# Altium PCB top_LM_v3.PcbDoc (part 3 of 6) (continued)
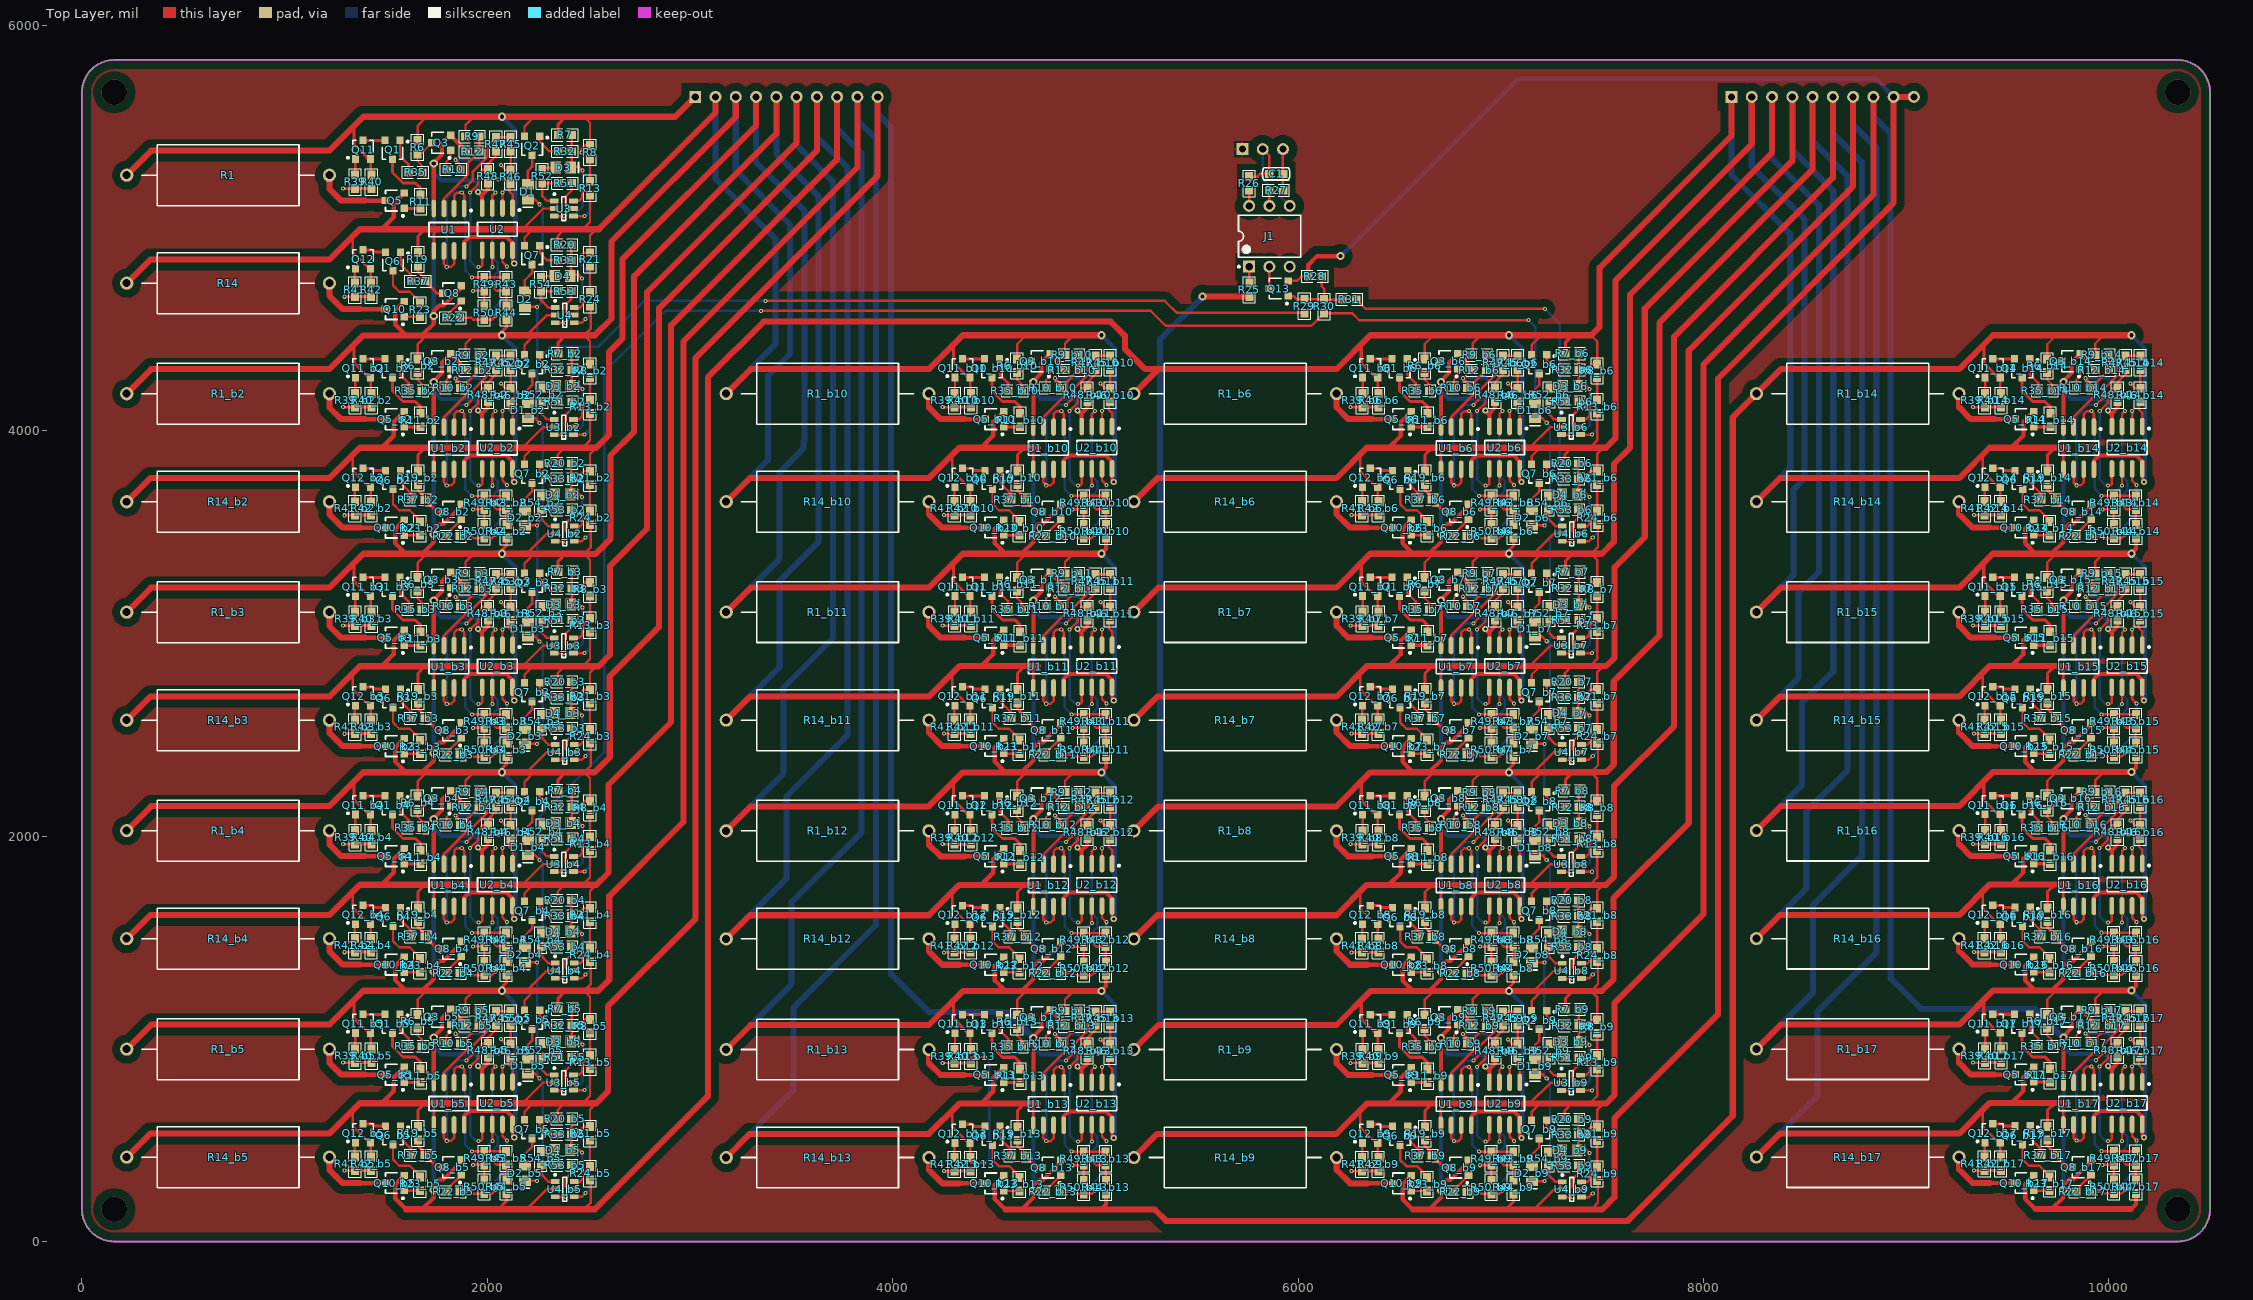
[diagram p0: Top Layer view]
## Nets (pads, with @x,y where several pads share a name; then routed paths per layer and width w, separated by ;. In a path a pad name is that pad's centre, name@x,y a point inside that pad or via, vN(x,y) a via of type N, cw(c..) or ccw(c..) an arc to the next point about the centre after c; other vN are vias at no path point) (continued)
  Top Layer w15: 1342.82,2264.79 1342.82,2178.82 Q11_b4.2@1414.64,2107 ; v2@2058,2315.46 2058,2315.54 2058,2318.68 2093.82,2354.5 R44_b3.2@2093.82,2392.8 ; U2_b4.8@2124.82,1656.05 2124.82,1599.26 v3(2132.82,1591.26) ; R7_b4.2@2349.54,2225.68 2349.54,2279.07 2385.93,2315.46 2386,2315.54 ; R19_b12.2@4615.69,1645.32 4615.69,1724.86 4650.69,1759.86 4654.69,1759.86
  Top Layer w20: Q11_b4.2@1414.64,2107 Q11_b4.2@1424.23,2107 ; 1679.69,2318.07 1735.82,2374.2 v2(1735.82,2410.26) 1735.82,2435.26 1762.82,2462.26 1784.27,2462.26 1872.08,2550.08 Q8_b3.2@1872.08,2559.66 ; U1_b3.4@1735.82,2940.75 v2(1735.82,3162.26) 1735.82,3168.26 1775.82,3208.26 1775.82,3259.4 Q3_b3.2@1819.08,3302.66 1819.08,3299.91 1892.36,3226.64 R12_b3.1@1892.36,3221.26 ; U1_b4.8@1885.82,1653.77 1885.82,1696.26 1911.82,1722.26 2095.82,1722.26 2124.82,1693.26 U2_b4.8@2124.82,1656.05 ; v3(1954.82,3022.26) 1968.82,3008.26 1974.82,3008.26 ; U2_b3.4@1974.82,2943.02 1974.82,3008.26 ; R48_b3.2@2002.82,3065.8 2002.82,3036.26 1974.82,3008.26
  Top Layer w22: Q10_b3.2@1589.95,2481.94 1546.69,2438.68 1546.69,2366.54 1597.01,2316.21 ; 4436.69,1759.86 4496.69,1819.86 4496.69,1887 Q5_b12.2@4547.95,1938.26
  Top Layer w30: R1_b4.2@220.82,2027.26 341.85,2148.28 1220.82,2148.28 1388.08,2315.54 1700.44,2315.54 1933.82,2315.54 2058,2315.54 v2(2071.69,2315.54) 2231.82,2315.54 2386,2315.54 2477.08,2315.54 ; 1597.76,2315.46 1700.37,2315.46 1933.75,2315.46 2058,2315.46 2231.75,2315.46 2385.93,2315.46 2477.15,2315.46 2529.68,2315.46 2604,2389.78 2604,2789 2848,3033 2848,4605 3626,5383 P1.7@3626,5648 ; R14_b12.2@3178.82,1493.58 3295.1,1609.86 4178.82,1609.86 4328.82,1759.86 4436.69,1759.86 4650.69,1759.86 ; 4654.69,1759.86 4715.82,1759.86
  Bottom Layer w15: 2137.82,2153.86 2137.82,2155.68 ; v1(2465,2139.68) 2507,2097.68 2507,1851.88 v1(2480.4,1825.28)
  Bottom Layer w20: v2(1735.82,2410.26) 1735.82,3115.26 ; v2(1735.82,3162.26) 1735.82,3115.26 ; v3(1954.82,3022.26) 1954.82,3061.26 1935.82,3080.26 1770.82,3080.26 1735.82,3115.26 ; v2(2071.69,2315.54) 2137.82,2249.4 2137.82,2155.68 ; v3(2132.82,1591.26) 2137.82,1596.26 2137.82,2153.86
  Bottom Layer w30: R14_b12.2@3178.82,1493.58 3476.82,1791.58 3476.82,2198.32 3776.4,2497.9 3776.4,5299.9 3625.82,5450.48 P1.7@3625.82,5648.32
IN_A4: P1.9 Q2_b5.2 Q3_b4.2 Q5_b13.2 Q8_b4.2 Q10_b4.2 Q11_b5.2 Q12_b13.2 R1_b5.2 R6_b5.2 R7_b5.2 R8_b5.2 R9_b5.2 R12_b4.1 R14_b13.2 R19_b13.2 R24_b4.1 R40_b5.1 R42_b13.1 R44_b4.2 R48_b4.2 U1_b4.4 U1_b5.8 U1_b13.5 U2_b4.4 U2_b5.8 U3_b5.4 U4_b4.2 | length 21433.1
  Top Layer w12: Q11_b5.2@1424.23,1029 1424.23,954.32 R40_b5.1@1428.82,949.72 ; R6_b5.2@1655.69,1120.46 1655.69,1192.79 1700.37,1237.46 1700.44,1237.54 ; R9_b5.2@1892.36,1140.26 1892.36,1196.07 1933.75,1237.46 1933.82,1237.54 ; Q2_b5.2@2183.6,1140.94 2183.6,1189.31 2231.75,1237.46 2231.82,1237.54 ; 2195.54,1238.21 2294,1336.68 U4_b4.2@2334.76,1336.68 ; U3_b5.4@2425.24,747.28 v1(2480.4,747.28) ; v1(2465,1061.68) 2465,1078.68 2482.32,1096 R8_b5.2@2506.69,1096 2506.69,1207.92 2477.15,1237.46 2477.08,1237.54 ; 2477.41,1237.87 2511,1271.46 2511,1376.76 R24_b4.1@2506.69,1381.07 ; 4294.82,645.36 4294.82,565.58 4374.08,486.32 Q12_b13.2@4382.23,486.32 4382.23,417.64 R42_b13.1@4384.82,415.05 ; U1_b13.5@4693.82,574.09 4693.82,658.86 4715.82,680.86
  Top Layer w15: 1342.82,1186.79 1342.82,1100.82 Q11_b5.2@1414.64,1029 ; v2@2058,1237.46 2058,1237.54 2058,1240.68 2093.82,1276.5 R44_b4.2@2093.82,1314.8 ; U2_b5.8@2124.82,578.05 2124.82,521.26 v3(2132.82,513.26) ; R7_b5.2@2349.54,1147.68 2349.54,1201.07 2385.93,1237.46 2386,1237.54 ; R19_b13.2@4615.69,566.32 4615.69,645.86 4650.69,680.86 4654.69,680.86
  Top Layer w20: Q11_b5.2@1414.64,1029 Q11_b5.2@1424.23,1029 ; 1679.69,1240.07 1735.82,1296.2 v2(1735.82,1332.26) 1735.82,1357.26 1762.82,1384.26 1784.27,1384.26 1872.08,1472.08 Q8_b4.2@1872.08,1481.66 ; U1_b4.4@1735.82,1862.75 v2(1735.82,2084.26) 1735.82,2090.26 1775.82,2130.26 1775.82,2181.4 Q3_b4.2@1819.08,2224.66 1819.08,2221.91 1892.36,2148.64 R12_b4.1@1892.36,2143.26 ; U1_b5.8@1885.82,575.77 1885.82,618.26 1911.82,644.26 2095.82,644.26 2124.82,615.26 U2_b5.8@2124.82,578.05 ; v3(1954.82,1944.26) 1968.82,1930.26 1974.82,1930.26 ; U2_b4.4@1974.82,1865.02 1974.82,1930.26 ; R48_b4.2@2002.82,1987.8 2002.82,1958.26 1974.82,1930.26
  Top Layer w22: Q10_b4.2@1589.95,1403.94 1546.69,1360.68 1546.69,1288.54 1597.01,1238.21 ; 4436.69,680.86 4496.69,740.86 4496.69,808 Q5_b13.2@4547.95,859.26
  Top Layer w30: R1_b5.2@220.82,949.26 341.85,1070.28 1220.82,1070.28 1388.08,1237.54 1700.44,1237.54 1933.82,1237.54 2058,1237.54 v2(2071.69,1237.54) 2231.82,1237.54 2386,1237.54 2477.08,1237.54 ; 1597.76,1237.46 1700.37,1237.46 1933.75,1237.46 2058,1237.46 2231.75,1237.46 2385.93,1237.46 2477.15,1237.46 2546.5,1237.46 2601.82,1292.79 2601.82,1704.32 2968,2070.5 2968,4441.55 3825.82,5299.37 P1.9@3825.82,5648.32 ; R14_b13.2@3178.82,414.58 3295.1,530.86 4178.82,530.86 4328.82,680.86 4436.69,680.86 4650.69,680.86 ; 4654.69,680.86 4715.82,680.86
  Bottom Layer w15: 2137.82,1075.86 2137.82,1077.68 ; v1(2465,1061.68) 2507,1019.68 2507,773.88 v1(2480.4,747.28)
  Bottom Layer w20: v2(1735.82,1332.26) 1735.82,2037.26 ; v2(1735.82,2084.26) 1735.82,2037.26 ; v3(1954.82,1944.26) 1954.82,1983.26 1935.82,2002.26 1770.82,2002.26 1735.82,2037.26 ; v2(2071.69,1237.54) 2137.82,1171.4 2137.82,1077.68 ; v3(2132.82,513.26) 2137.82,518.26 2137.82,1075.86
  Bottom Layer w30: R14_b13.2@3178.82,414.58 3509.82,745.58 3509.82,1154.32 3917.82,1562.32 3917.82,5441.32 3825.82,5533.32 P1.9@3825.82,5648.32
IN_A5: P2.1 Q2_b6.2 Q3_b5.2 Q5_b14.2 Q8_b5.2 Q10_b5.2 Q11_b6.2 Q12_b14.2 R1_b6.2 R6_b6.2 R7_b6.2 R8_b6.2 R9_b6.2 R12_b5.1 R14_b14.2 R19_b14.2 R24_b5.1 R40_b6.1 R42_b14.1 R44_b5.2 R48_b5.2 U1_b5.4 U1_b6.8 U1_b14.5 U2_b5.4 U2_b6.8 U3_b6.4 U4_b5.2 | length 21356.7
  Top Layer w12: 2195.54,160.21 2294,258.68 U4_b5.2@2334.76,258.68 ; 2477.41,159.87 2511,193.46 2511,298.76 R24_b5.1@2506.69,303.07 ; Q11_b6.2@6393.48,4263.32 6393.48,4188.64 R40_b6.1@6398.08,4184.05 ; R6_b6.2@6624.94,4354.79 6624.94,4427.11 6669.69,4471.86 ; R9_b6.2@6861.61,4374.58 6861.61,4430.39 6903.08,4471.86 ; Q2_b6.2@7152.85,4375.26 7152.85,4423.63 7201.08,4471.86 ; U3_b6.4@7394.5,3981.6 v1(7449.65,3981.6) ; v1(7434.25,4296) 7434.25,4313 7451.57,4330.32 R8_b6.2@7475.94,4330.32 7475.94,4442.24 7446.33,4471.86 ; 9377.82,3881.36 9377.82,3801.58 9457.08,3722.32 Q12_b14.2@9465.23,3722.32 9465.23,3653.64 R42_b14.1@9467.82,3651.05 ; U1_b14.5@9776.82,3810.09 9776.82,3894.86 9798.82,3916.86
  Top Layer w15: 2058,159.46 2058,162.68 2093.82,198.5 R44_b5.2@2093.82,236.8 ; 6312.08,4421.11 6312.08,4335.14 Q11_b6.2@6383.89,4263.32 ; U2_b6.8@7094.08,3812.37 7094.08,3755.58 v3(7102.08,3747.58) ; R7_b6.2@7318.79,4382 7318.79,4435.39 7355.25,4471.86 ; R19_b14.2@9698.69,3802.32 9698.69,3881.86 9733.69,3916.86 9737.69,3916.86
  Top Layer w20: 1679.69,162.07 1735.82,218.2 v2(1735.82,254.26) 1735.82,279.26 1762.82,306.26 1784.27,306.26 1872.08,394.08 Q8_b5.2@1872.08,403.66 ; U1_b5.4@1735.82,784.75 v2(1735.82,1006.26) 1735.82,1012.26 1775.82,1052.26 1775.82,1103.4 Q3_b5.2@1819.08,1146.66 1819.08,1143.91 1892.36,1070.64 R12_b5.1@1892.36,1065.26 ; v3(1954.82,866.26) 1968.82,852.26 1974.82,852.26 ; U2_b5.4@1974.82,787.02 1974.82,852.26 ; R48_b5.2@2002.82,909.8 2002.82,880.26 1974.82,852.26 ; Q11_b6.2@6383.89,4263.32 Q11_b6.2@6393.48,4263.32 ; U1_b6.8@6855.08,3810.09 6855.08,3852.58 6881.08,3878.58 7065.08,3878.58 7094.08,3849.58 U2_b6.8@7094.08,3812.37
  Top Layer w22: Q10_b5.2@1589.95,325.94 1546.69,282.68 1546.69,210.54 1597.01,160.21 ; 9519.69,3916.86 9579.69,3976.86 9579.69,4044 Q5_b14.2@9630.95,4095.26
  Top Layer w30: 1597.76,159.46 2058,159.46 2530.82,159.46 3088,716.64 3088,4264 3363,4539 5076.7,4539 5145.85,4469.85 5145.85,4404.15 5245.4,4304.61 5311.1,4304.61 ; R1_b6.2@5190.08,4183.58 5311.1,4304.61 ; P2.1@8139,5648 8139,5456 7488,4805 7488,4513.53 7446.33,4471.86 7355.25,4471.86 7201.08,4471.86 v2(7040.94,4471.86) 6903.08,4471.86 6669.69,4471.86 6357.33,4471.86 6190.08,4304.61 5311.1,4304.61 ; R14_b14.2@8261.82,3650.58 8378.1,3766.86 9261.82,3766.86 9411.82,3916.86 9519.69,3916.86 9733.69,3916.86 ; 9737.69,3916.86 9798.82,3916.86
  Bottom Layer w15: 7107.08,4310.18 7107.08,4312 ; v1(7434.25,4296) 7476.25,4254 7476.25,4008.2 v1(7449.65,3981.6)
  Bottom Layer w20: v2(1735.82,254.26) 1735.82,959.26 ; v2(1735.82,1006.26) 1735.82,959.26 ; v3(1954.82,866.26) 1954.82,905.26 1935.82,924.26 1770.82,924.26 1735.82,959.26 ; v2(7040.94,4471.86) 7107.08,4405.72 7107.08,4312 ; v3(7102.08,3747.58) 7107.08,3752.58 7107.08,4310.18
  Bottom Layer w30: P2.1@8138.82,5648.32 8138.82,5262.37 8428.85,4972.35 8428.85,3817.61 R14_b14.2@8261.82,3650.58
IN_A6: P2.3 Q2_b7.2 Q3_b6.2 Q5_b15.2 Q8_b6.2 Q10_b6.2 Q11_b7.2 Q12_b15.2 R1_b7.2 R6_b7.2 R7_b7.2 R8_b7.2 R9_b7.2 R12_b6.1 R14_b15.2 R19_b15.2 R24_b6.1 R40_b7.1 R42_b15.1 R44_b6.2 R48_b6.2 U1_b6.4 U1_b7.8 U1_b15.5 U2_b6.4 U2_b7.8 U3_b7.4 U4_b6.2 | length 16800.1
  Top Layer w12: Q11_b7.2@6393.48,3185.32 6393.48,3110.64 R40_b7.1@6398.08,3106.05 ; R6_b7.2@6624.94,3276.79 6624.94,3349.11 6669.62,3393.79 6669.69,3393.86 ; R9_b7.2@6861.61,3296.58 6861.61,3352.39 6903,3393.79 6903.08,3393.86 ; Q2_b7.2@7152.85,3297.26 7152.85,3345.63 7201,3393.79 7201.08,3393.86 ; 7164.79,3394.54 7263.25,3493 U4_b6.2@7304.01,3493 ; U3_b7.4@7394.5,2903.6 v1(7449.65,2903.6) ; v1(7434.25,3218) 7434.25,3235 7451.57,3252.32 R8_b7.2@7475.94,3252.32 7475.94,3364.24 7446.4,3393.79 7446.33,3393.86 ; 7446.67,3394.2 7480.25,3427.78 7480.25,3533.08 R24_b6.1@7475.94,3537.39 ; 9377.57,2803.36 9377.57,2723.58 9456.83,2644.32 Q12_b15.2@9464.97,2644.32 9464.97,2575.64 R42_b15.1@9467.57,2573.05 ; U1_b15.5@9776.57,2732.09 9776.57,2816.86 9798.57,2838.86
  Top Layer w15: 6312.08,3343.11 6312.08,3257.14 Q11_b7.2@6383.89,3185.32 ; v2@7027.25,3393.79 7027.25,3393.86 7027.25,3397 7063.08,3432.82 R44_b6.2@7063.08,3471.12 ; U2_b7.8@7094.08,2734.37 7094.08,2677.58 v3(7102.08,2669.58) ; R7_b7.2@7318.79,3304 7318.79,3357.39 7355.18,3393.79 7355.25,3393.86 ; R19_b15.2@9698.44,2724.32 9698.44,2803.86 9733.44,2838.86 9737.44,2838.86
  Top Layer w20: Q11_b7.2@6383.89,3185.32 Q11_b7.2@6393.48,3185.32 ; 6648.94,3396.39 6705.08,3452.53 v2(6705.08,3488.58) 6705.08,3513.58 6732.08,3540.58 6753.52,3540.58 6841.34,3628.4 Q8_b6.2@6841.34,3637.98 ; U1_b6.4@6705.08,4019.07 v2(6705.08,4240.58) 6705.08,4246.58 6745.08,4286.58 6745.08,4337.72 Q3_b6.2@6788.34,4380.98 6788.34,4378.23 6861.61,4304.96 R12_b6.1@6861.61,4299.58 ; U1_b7.8@6855.08,2732.09 6855.08,2774.58 6881.08,2800.58 7065.08,2800.58 7094.08,2771.58 U2_b7.8@7094.08,2734.37 ; v3(6924.08,4100.58) 6938.08,4086.58 6944.08,4086.58 ; U2_b6.4@6944.08,4021.34 6944.08,4086.58 ; R48_b6.2@6972.08,4144.12 6972.08,4114.58 6944.08,4086.58
  Top Layer w22: Q10_b6.2@6559.2,3560.26 6515.94,3517 6515.94,3444.86 6566.26,3394.54 ; 9519.44,2838.86 9579.44,2898.86 9579.44,2966 Q5_b15.2@9630.7,3017.26
  Top Layer w30: R1_b7.2@5190.08,3105.58 5311.1,3226.61 6190.08,3226.61 6357.33,3393.86 6669.69,3393.86 6903.08,3393.86 7027.25,3393.86 v2(7040.94,3393.86) 7201.08,3393.86 7355.25,3393.86 7446.33,3393.86 ; 6567.01,3393.79 6669.62,3393.79 6903,3393.79 7027.25,3393.79 7201,3393.79 7355.18,3393.79 7446.4,3393.79 7500.08,3393.79 7559,3452.71 7559,3836.62 7638.38,3916 7638.38,4672.16 ; 7638,4672.16 8339,5373.16 P2.3@8339,5648 ; R14_b15.2@8261.57,2572.58 8377.85,2688.86 9261.57,2688.86 9411.57,2838.86 9519.44,2838.86 9733.44,2838.86 ; 9737.44,2838.86 9798.57,2838.86
  Bottom Layer w15: 7107.08,3232.18 7107.08,3234 ; v1(7434.25,3218) 7476.25,3176 7476.25,2930.2 v1(7449.65,2903.6)
  Bottom Layer w20: v2(6705.08,3488.58) 6705.08,4193.58 ; v2(6705.08,4240.58) 6705.08,4193.58 ; v3(6924.08,4100.58) 6924.08,4139.58 6905.08,4158.58 6740.08,4158.58 6705.08,4193.58 ; v2(7040.94,3393.86) 7107.08,3327.72 7107.08,3234 ; v3(7102.08,2669.58) 7107.08,2674.58 7107.08,3232.18
  Bottom Layer w30: R14_b15.2@8261.57,2572.58 8468.82,2779.83 8468.82,3200.87 8570.27,3302.32 8570.27,5113.77 8338.82,5345.21 P2.3@8338.82,5648.32
IN_A7: P2.5 Q2_b8.2 Q3_b7.2 Q5_b16.2 Q8_b7.2 Q10_b7.2 Q11_b8.2 Q12_b16.2 R1_b8.2 R6_b8.2 R7_b8.2 R8_b8.2 R9_b8.2 R12_b7.1 R14_b16.2 R19_b16.2 R24_b7.1 R40_b8.1 R42_b16.1 R44_b7.2 R48_b7.2 U1_b7.4 U1_b8.8 U1_b16.5 U2_b7.4 U2_b8.8 U3_b8.4 U4_b7.2 | length 19085.2
  Top Layer w12: Q11_b8.2@6393.48,2106.32 6393.48,2031.64 R40_b8.1@6398.08,2027.05 ; R6_b8.2@6624.94,2197.79 6624.94,2270.11 6669.69,2314.86 ; R9_b8.2@6861.61,2217.58 6861.61,2273.39 6903.08,2314.86 ; Q2_b8.2@7152.85,2218.26 7152.85,2266.63 7201.08,2314.86 ; 7164.79,2316.54 7263.25,2415 U4_b7.2@7304.01,2415 ; U3_b8.4@7394.5,1824.6 v1(7449.65,1824.6) ; v1(7434.25,2139) 7434.25,2156 7451.57,2173.32 R8_b8.2@7475.94,2173.32 7475.94,2285.24 7446.33,2314.86 ; 7446.67,2316.2 7480.25,2349.78 7480.25,2455.08 R24_b7.1@7475.94,2459.39 ; 9377.57,1725.36 9377.57,1645.58 9456.83,1566.32 Q12_b16.2@9464.97,1566.32 9464.97,1497.64 R42_b16.1@9467.57,1495.05 ; U1_b16.5@9776.57,1654.09 9776.57,1738.86 9798.57,1760.86
  Top Layer w15: 6312.08,2264.11 6312.08,2178.14 Q11_b8.2@6383.89,2106.32 ; v2@7027.25,2315.79 7027.25,2319 7063.08,2354.82 R44_b7.2@7063.08,2393.12 ; U2_b8.8@7094.08,1655.37 7094.08,1598.58 v3(7102.08,1590.58) ; R7_b8.2@7318.79,2225 7318.79,2278.39 7355.25,2314.86 ; R19_b16.2@9698.44,1646.32 9698.44,1725.86 9733.44,1760.86 9737.44,1760.86
  Top Layer w20: Q11_b8.2@6383.89,2106.32 Q11_b8.2@6393.48,2106.32 ; 6648.94,2318.39 6705.08,2374.53 v2(6705.08,2410.58) 6705.08,2435.58 6732.08,2462.58 6753.52,2462.58 6841.34,2550.4 Q8_b7.2@6841.34,2559.98 ; U1_b7.4@6705.08,2941.07 v2(6705.08,3162.58) 6705.08,3168.58 6745.08,3208.58 6745.08,3259.72 Q3_b7.2@6788.34,3302.98 6788.34,3300.23 6861.61,3226.96 R12_b7.1@6861.61,3221.58 ; U1_b8.8@6855.08,1653.09 6855.08,1695.58 6881.08,1721.58 7065.08,1721.58 7094.08,1692.58 U2_b8.8@7094.08,1655.37 ; v3(6924.08,3022.58) 6938.08,3008.58 6944.08,3008.58 ; U2_b7.4@6944.08,2943.34 6944.08,3008.58 ; R48_b7.2@6972.08,3066.12 6972.08,3036.58 6944.08,3008.58
  Top Layer w22: Q10_b7.2@6559.2,2482.26 6515.94,2439 6515.94,2366.86 6566.26,2316.54 ; 9519.44,1760.86 9579.44,1820.86 9579.44,1888 Q5_b16.2@9630.7,1939.26
  Top Layer w30: R1_b8.2@5190.08,2026.58 5311.1,2147.61 6190.08,2147.61 6357.33,2314.86 6669.69,2314.86 6903.08,2314.86 v2(7040.94,2314.86) 7201.08,2314.86 7355.25,2314.86 7446.33,2314.86 ; 6567.01,2315.79 7027.25,2315.79 7520.79,2315.79 7558,2353 7558,2764 7783.12,2989.12 7783.12,4534.44 8539,5290.31 P2.5@8539,5648 ; R14_b16.2@8261.57,1494.58 8377.85,1610.86 9261.57,1610.86 9411.57,1760.86 9519.44,1760.86 9733.44,1760.86 ; 9737.44,1760.86 9798.57,1760.86
  Bottom Layer w15: 7107.08,2153.18 7107.08,2155 ; v1(7434.25,2139) 7476.25,2097 7476.25,1851.2 v1(7449.65,1824.6)
  Bottom Layer w20: v2(6705.08,2410.58) 6705.08,3115.58 ; v2(6705.08,3162.58) 6705.08,3115.58 ; v3(6924.08,3022.58) 6924.08,3061.58 6905.08,3080.58 6740.08,3080.58 6705.08,3115.58 ; v2(7040.94,2314.86) 7107.08,2248.72 7107.08,2155 ; v3(7102.08,1590.58) 7107.08,1595.58 7107.08,2153.18
  Bottom Layer w30: R14_b16.2@8261.57,1494.58 8507.82,1740.83 8507.82,2122.45 8711.69,2326.32 8711.69,5255.19 8538.82,5428.06 P2.5@8538.82,5648.32
IN_A8: P2.7 Q2_b9.2 Q3_b8.2 Q5_b17.2 Q8_b8.2 Q10_b8.2 Q11_b9.2 Q12_b17.2 R1_b9.2 R6_b9.2 R7_b9.2 R8_b9.2 R9_b9.2 R12_b8.1 R14_b17.2 R19_b17.2 R24_b8.1 R25.1 R40_b9.1 R42_b17.1 R44_b8.2 R48_b8.2 U1_b8.4 U1_b9.8 U1_b17.5 U2_b8.4 U2_b9.8 U3_b9.4 U4_b8.2 | length 25433.2
  Top Layer w12: Q11_b9.2@6393.48,1027.32 6393.48,952.64 R40_b9.1@6398.08,948.05 ; R6_b9.2@6624.94,1118.79 6624.94,1191.11 6669.69,1235.86 ; R9_b9.2@6861.61,1138.58 6861.61,1194.39 6903.08,1235.86 ; Q2_b9.2@7152.85,1139.26 7152.85,1187.63 7201.08,1235.86 ; 7164.79,1237.54 7263.25,1336 U4_b8.2@7304.01,1336 ; U3_b9.4@7394.5,745.6 v1(7449.65,745.6) ; v1(7434.25,1060) 7434.25,1077 7451.57,1094.32 R8_b9.2@7475.94,1094.32 7475.94,1206.24 7446.33,1235.86 ; 7446.67,1237.2 7480.25,1270.78 7480.25,1376.08 R24_b8.1@7475.94,1380.39 ; 9377.57,647.36 9377.57,567.58 9456.83,488.32 Q12_b17.2@9464.97,488.32 9464.97,419.64 R42_b17.1@9467.57,417.05 ; U1_b17.5@9776.57,576.09 9776.57,660.86 9798.57,682.86
  Top Layer w15: 6312.08,1185.11 6312.08,1099.14 Q11_b9.2@6383.89,1027.32 ; v2@7027.25,1236.79 7027.25,1240 7063.08,1275.82 R44_b8.2@7063.08,1314.12 ; U2_b9.8@7094.08,576.37 7094.08,519.58 v3(7102.08,511.58) ; R7_b9.2@7318.79,1146 7318.79,1199.39 7355.25,1235.86 ; R19_b17.2@9698.44,568.32 9698.44,647.86 9733.44,682.86 9737.44,682.86
  Top Layer w20: Q11_b9.2@6383.89,1027.32 Q11_b9.2@6393.48,1027.32 ; 6648.94,1239.39 6705.08,1295.53 v2(6705.08,1331.58) 6705.08,1356.58 6732.08,1383.58 6753.52,1383.58 6841.34,1471.4 Q8_b8.2@6841.34,1480.98 ; U1_b8.4@6705.08,1862.07 v2(6705.08,2083.58) 6705.08,2089.58 6745.08,2129.58 6745.08,2180.72 Q3_b8.2@6788.34,2223.98 6788.34,2221.23 6861.61,2147.96 R12_b8.1@6861.61,2142.58 ; U1_b9.8@6855.08,574.09 6855.08,616.58 6881.08,642.58 7065.08,642.58 7094.08,613.58 U2_b9.8@7094.08,576.37 ; v3(6924.08,1943.58) 6938.08,1929.58 6944.08,1929.58 ; U2_b8.4@6944.08,1864.34 6944.08,1929.58 ; R48_b8.2@6972.08,1987.12 6972.08,1957.58 6944.08,1929.58
  Top Layer w22: Q10_b8.2@6559.2,1403.26 6515.94,1360 6515.94,1287.86 6566.26,1237.54 ; 9519.44,682.86 9579.44,742.86 9579.44,810 Q5_b17.2@9630.7,861.26
  Top Layer w30: R1_b9.2@5190.08,947.58 5311.1,1068.61 6190.08,1068.61 6357.33,1235.86 6669.69,1235.86 6903.08,1235.86 v2(7040.94,1235.86) 7201.08,1235.86 7355.25,1235.86 7446.33,1235.86 ; v2(5529,4662) 5758.97,4662 R25.1@5759.82,4662.86 ; 6567.01,1236.79 7027.25,1236.79 7500.08,1236.79 7556,1292.71 7556,1693 7927.88,2064.88 7927.88,4396.35 8739,5207.47 P2.7@8739,5648 ; R14_b17.2@8261.57,416.58 8377.85,532.86 9261.57,532.86 9411.57,682.86 9519.44,682.86 9733.44,682.86 ; 9737.44,682.86 9798.57,682.86
  Bottom Layer w15: 7107.08,1074.18 7107.08,1076 ; v1(7434.25,1060) 7476.25,1018 7476.25,772.2 v1(7449.65,745.6)
  Bottom Layer w20: v2(6705.08,1331.58) 6705.08,2036.58 ; v2(6705.08,2083.58) 6705.08,2036.58 ; v3(6924.08,1943.58) 6924.08,1982.58 6905.08,2001.58 6740.08,2001.58 6705.08,2036.58 ; v2(7040.94,1235.86) 7107.08,1169.72 7107.08,1076 ; v3(7102.08,511.58) 7107.08,516.58 7107.08,1074.18
  Bottom Layer w30: R1_b9.2@5190.08,947.58 5319,1076.51 5319,4452 v2(5529,4662) ; R14_b17.2@8261.57,416.58 8563.82,718.83 8563.82,1135.32 8853.11,1424.61 8853.11,5396.61 8738.82,5510.9 P2.7@8738.82,5648.32
IN_A9: P1.2 Q5.2 Q7.2 Q11_b10.2 Q12.2 R1_b10.2 R6_b10.2 R9_b10.2 R13.1 R14.2 R19.2 R20.2 R21.2 R40_b10.1 R42.1 U1.5 U1_b10.8 U2_b10.8 U3.2 U4.4 | length 10559.3
  Top Layer w12: 1336.82,4959.36 1336.82,4879.58 1416.08,4800.32 Q12.2@1424.23,4800.32 1424.23,4731.64 R42.1@1426.82,4729.05 ; U1.5@1735.82,4888.09 1735.82,4972.86 1757.82,4994.86 ; 2170,4994.86 2173.86,4994.86 2276,5097 U3.2@2330.76,5097 ; Q7.2@2183.6,4913.26 2183.6,4952.76 2225.69,4994.86 ; 2205,4994.86 2209.86,4994.86 ; R20.2@2347.54,4918 2347.54,4961.39 2381,4994.86 ; U4.4@2429.24,4533.6 2466.6,4533.6 v1(2485,4552) ; v1(2462,4845) 2462,4865 2476.32,4879.32 R21.2@2506.69,4879.32 2506.69,4963.86 2525.76,4982.92 ; 2473,4994.86 2473,4997 2506.69,5030.69 R13.1@2506.69,5164.39 ; Q11_b10.2@4382.23,4263.32 4382.23,4188.64 R40_b10.1@4386.82,4184.05 ; R6_b10.2@4613.69,4354.79 4613.69,4427.11 4658.44,4471.86 ; R9_b10.2@4850.36,4374.58 4850.36,4430.39 4891.82,4471.86
  Top Layer w15: R19.2@1657.69,4880.32 1657.69,4959.86 1692.69,4994.86 1696.69,4994.86 ; 4300.82,4421.11 4300.82,4335.14 Q11_b10.2@4372.64,4263.32 ; U2_b10.8@5082.82,3812.37 5082.82,3755.58 v3(5090.82,3747.58)
  Top Layer w20: Q11_b10.2@4372.64,4263.32 Q11_b10.2@4382.23,4263.32 ; U1_b10.8@4843.82,3810.09 4843.82,3852.58 4869.82,3878.58 5053.82,3878.58 5082.82,3849.58 U2_b10.8@5082.82,3812.37
  Top Layer w22: 1478.69,4994.86 1538.69,5054.86 1538.69,5122 Q5.2@1589.95,5173.26
  Top Layer w30: R14.2@220.82,4728.58 337.1,4844.86 1220.82,4844.86 1370.82,4994.86 1478.69,4994.86 1692.69,4994.86 ; 1696.69,4994.86 1757.82,4994.86 2170,4994.86 ; 2173.86,4994.86 2205,4994.86 ; 2209.86,4994.86 2225.69,4994.86 2381,4994.86 2473,4994.86 2550.36,4994.86 3125.82,5570.32 P1.2@3125.82,5648.32 ; R1_b10.2@3178.82,4183.58 3299.85,4304.61 4178.82,4304.61 4346.08,4471.86 4658.44,4471.86 4891.82,4471.86 v2(5029.69,4471.86)
  Bottom Layer w12: v1(2462,4845) 2462,4822 2505,4779 2505,4572 v1(2485,4552)
  Bottom Layer w20: v2(5029.69,4471.86) 5095.82,4405.72 5095.82,3752.58 v3(5090.82,3747.58)
  Bottom Layer w30: P1.2@3125.82,5648.32 3125.82,5243.37 3422.85,4946.35 3422.85,4429.61 R1_b10.2@3178.82,4185.58
IN_A10: P1.4 Q3_b10.2 Q5_b2.2 Q7_b2.2 Q8_b10.2 Q10_b10.2 Q11_b11.2 Q12_b2.2 R1_b11.2 R6_b11.2 R9_b11.2 R12_b10.1 R13_b2.1 R14_b2.2 R19_b2.2 R20_b2.2 R21_b2.2 R40_b11.1 R42_b2.1 R44_b10.2 R48_b10.2 U1_b2.5 U1_b10.4 U1_b11.8 U2_b10.4 U2_b11.8 U3_b2.2 U4_b2.4 | length 15622
  Top Layer w12: 1336.82,3881.04 1336.82,3801.26 1416.08,3722 Q12_b2.2@1424.23,3722 1424.23,3653.32 R42_b2.1@1426.82,3650.72 ; U1_b2.5@1735.82,3809.77 1735.82,3894.54 1757.82,3916.54 ; 2170,3916.54 2173.86,3916.54 2276,4018.68 U3_b2.2@2330.76,4018.68 ; Q7_b2.2@2183.6,3834.94 2183.6,3874.44 2225.69,3916.54 ; 2205,3916.54 2209.86,3916.54 ; R20_b2.2@2347.54,3839.68 2347.54,3883.07 2381,3916.54 ; U4_b2.4@2429.24,3455.28 2466.6,3455.28 v1(2485,3473.68) ; v1(2462,3766.68) 2462,3786.68 2476.32,3801 R21_b2.2@2506.69,3801 2506.69,3885.54 2525.76,3904.6 ; 2473,3916.54 2473,3918.68 2506.69,3952.37 R13_b2.1@2506.69,4086.07 ; Q11_b11.2@4382.23,3185.32 4382.23,3110.64 R40_b11.1@4386.82,3106.05 ; R6_b11.2@4613.69,3276.79 4613.69,3349.11 4658.37,3393.79 4658.44,3393.86 ; R9_b11.2@4850.36,3296.58 4850.36,3352.39 4891.75,3393.79 4891.82,3393.86
  Top Layer w15: R19_b2.2@1657.69,3802 1657.69,3881.54 1692.69,3916.54 1696.69,3916.54 ; 4300.82,3343.11 4300.82,3257.14 Q11_b11.2@4372.64,3185.32 ; U2_b11.8@5082.82,2734.37 5082.82,2677.58 v3(5090.82,2669.58)
  Top Layer w20: Q11_b11.2@4372.64,3185.32 Q11_b11.2@4382.23,3185.32 ; 4637.69,3396.39 4693.82,3452.53 v2(4693.82,3488.58) 4693.82,3513.58 4720.82,3540.58 4742.27,3540.58 4830.08,3628.4 Q8_b10.2@4830.08,3637.98 ; 4657.69,3392.86 4658.62,3393.79 ; U1_b10.4@4693.82,4019.07 v2(4693.82,4240.58) 4693.82,4246.58 4733.82,4286.58 4733.82,4337.72 Q3_b10.2@4777.08,4380.98 4777.08,4378.23 4850.36,4304.96 R12_b10.1@4850.36,4299.58 ; U1_b11.8@4843.82,2732.09 4843.82,2774.58 4869.82,2800.58 5053.82,2800.58 5082.82,2771.58 U2_b11.8@5082.82,2734.37 ; v3(4912.82,4100.58) 4926.82,4086.58 4932.82,4086.58 ; U2_b10.4@4932.82,4021.34 4932.82,4086.58 ; R48_b10.2@4960.82,4144.12 4960.82,4114.58 4932.82,4086.58 ; v2@5027.82,3393.79 5027.89,3393.86 5051.82,3417.79 R44_b10.2@5051.82,3471.12
  Top Layer w22: 1478.69,3916.54 1538.69,3976.54 1538.69,4043.68 Q5_b2.2@1589.95,4094.94 ; Q10_b10.2@4547.95,3560.26 4504.69,3517 4504.69,3444.86 4555.69,3393.86 4555.76,3393.79
  Top Layer w30: R14_b2.2@220.82,3650.26 337.1,3766.54 1220.82,3766.54 1370.82,3916.54 1478.69,3916.54 1692.69,3916.54 ; 1696.69,3916.54 1757.82,3916.54 2170,3916.54 ; 2173.86,3916.54 2205,3916.54 ; 2209.86,3916.54 2225.69,3916.54 2381,3916.54 2473,3916.54 2537.37,3916.54 2599.82,3978.99 2599.82,4388.32 2667.82,4456.32 2667.82,4848.48 3325.82,5506.48 P1.4@3325.82,5648.32 ; R1_b11.2@3178.82,3105.58 3299.85,3226.61 4178.82,3226.61 4346.08,3393.86 4555.69,3393.86 4658.44,3393.86 4891.82,3393.86 5027.89,3393.86 v2(5029.69,3393.86) ; 4555.76,3393.79 4658.37,3393.79 4658.62,3393.79 4891.75,3393.79 v2@5027.82,3393.79
  Bottom Layer w12: v1(2462,3766.68) 2462,3743.68 2505,3700.68 2505,3493.68 v1(2485,3473.68)
  Bottom Layer w20: v2(4693.82,3488.58) 4693.82,4193.58 ; v2(4693.82,4240.58) 4693.82,4193.58 ; v3(4912.82,4100.58) 4912.82,4139.58 4893.82,4158.58 4728.82,4158.58 4693.82,4193.58 ; v2(5029.69,3393.86) 5095.82,3327.72 5095.82,2674.58 v3(5090.82,2669.58)
  Bottom Layer w30: R1_b11.2@3178.82,3105.58 3440.82,3367.58 3440.82,3794.32 3560.27,3913.77 3560.27,3948.39 3562.27,3950.39 ; P1.4@3325.82,5648.32 3325.82,5326.21 3564.27,5087.77 3564.27,3955.39